# Altium PCB ESP32_Albums.PcbDoc
Units mil, origin at the board's own origin, x right, y up, seen from the top; angles counter-clockwise.
Board outline 1574.8 x 1574.8 mil, 2 copper layers (Top Layer, Bottom Layer), stack 50.044 mil thick; 36 components, 56 nets, 198 pads, 74 vias.
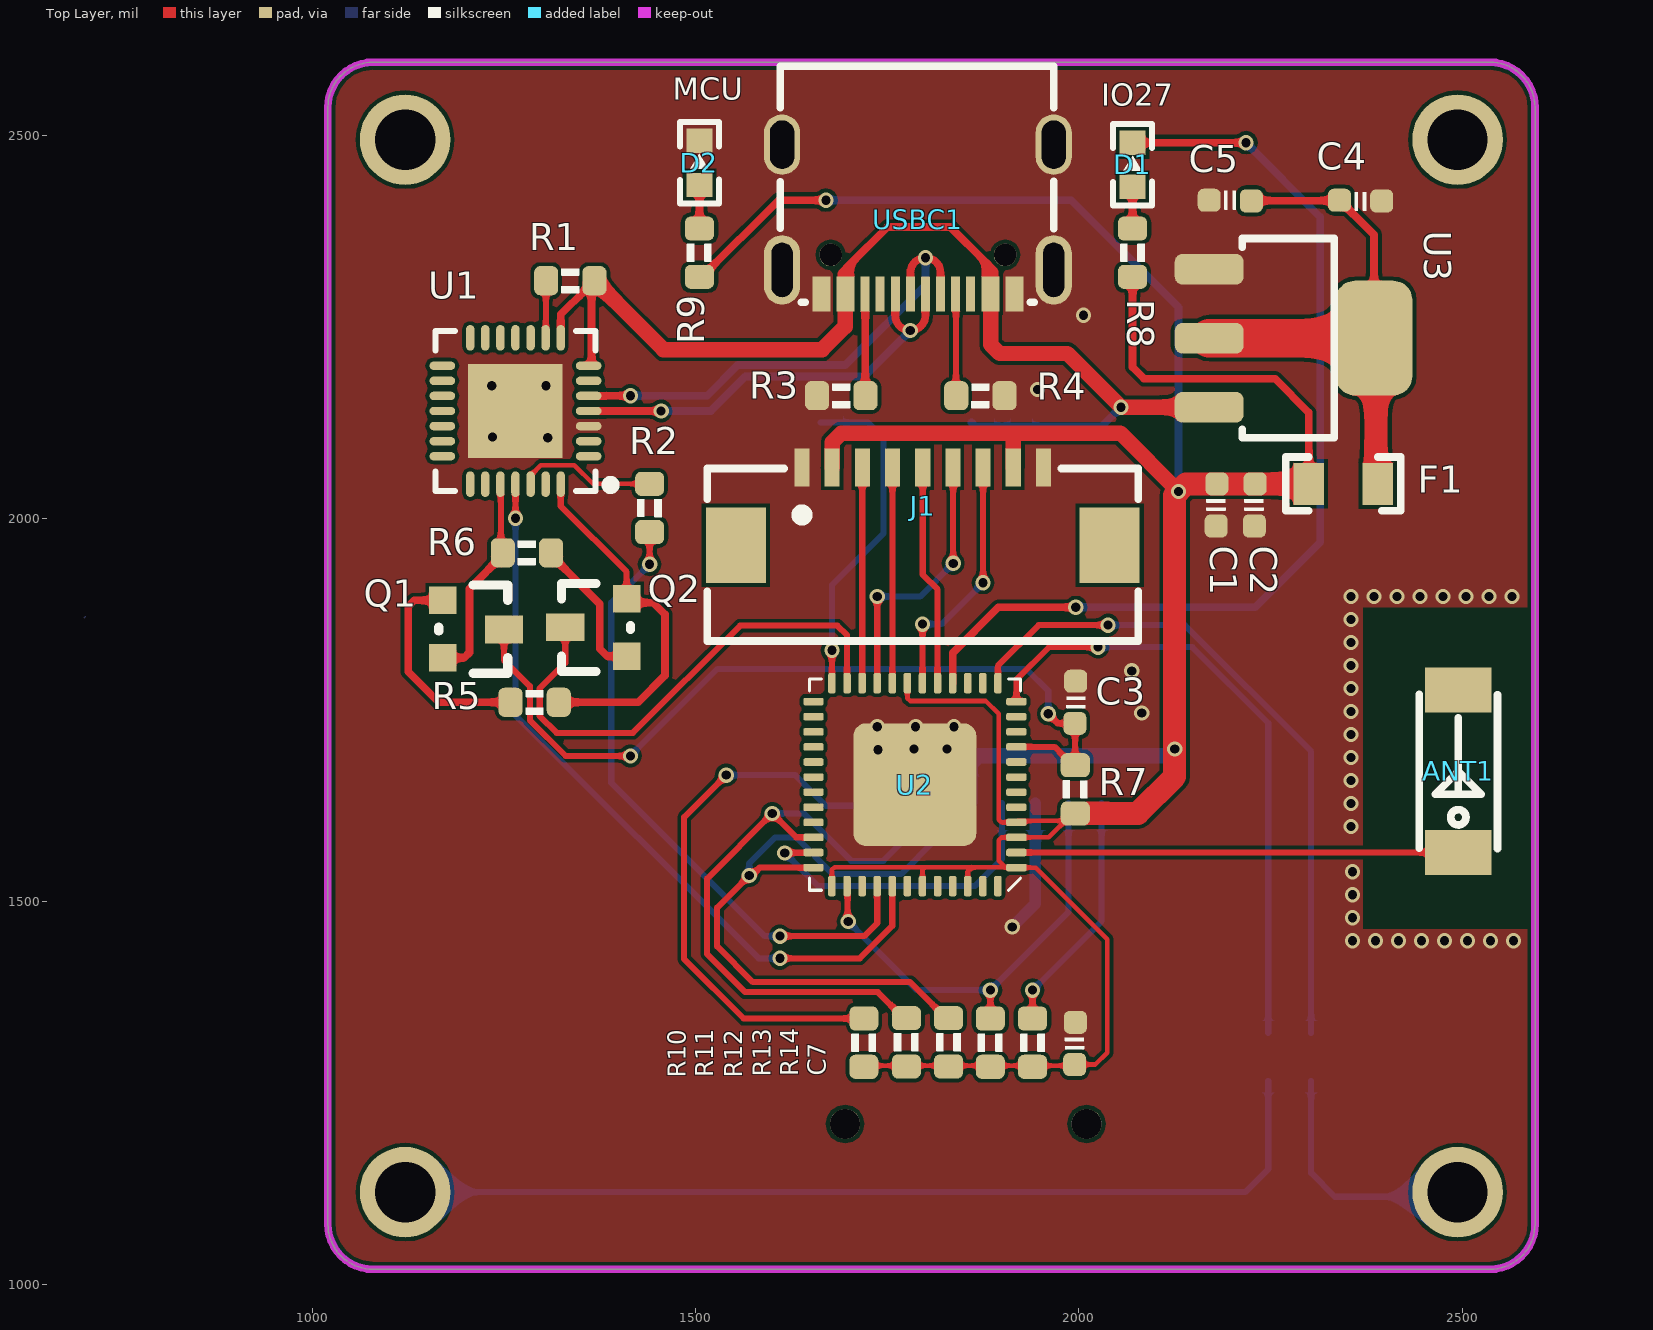
[diagram p0: Top Layer view]
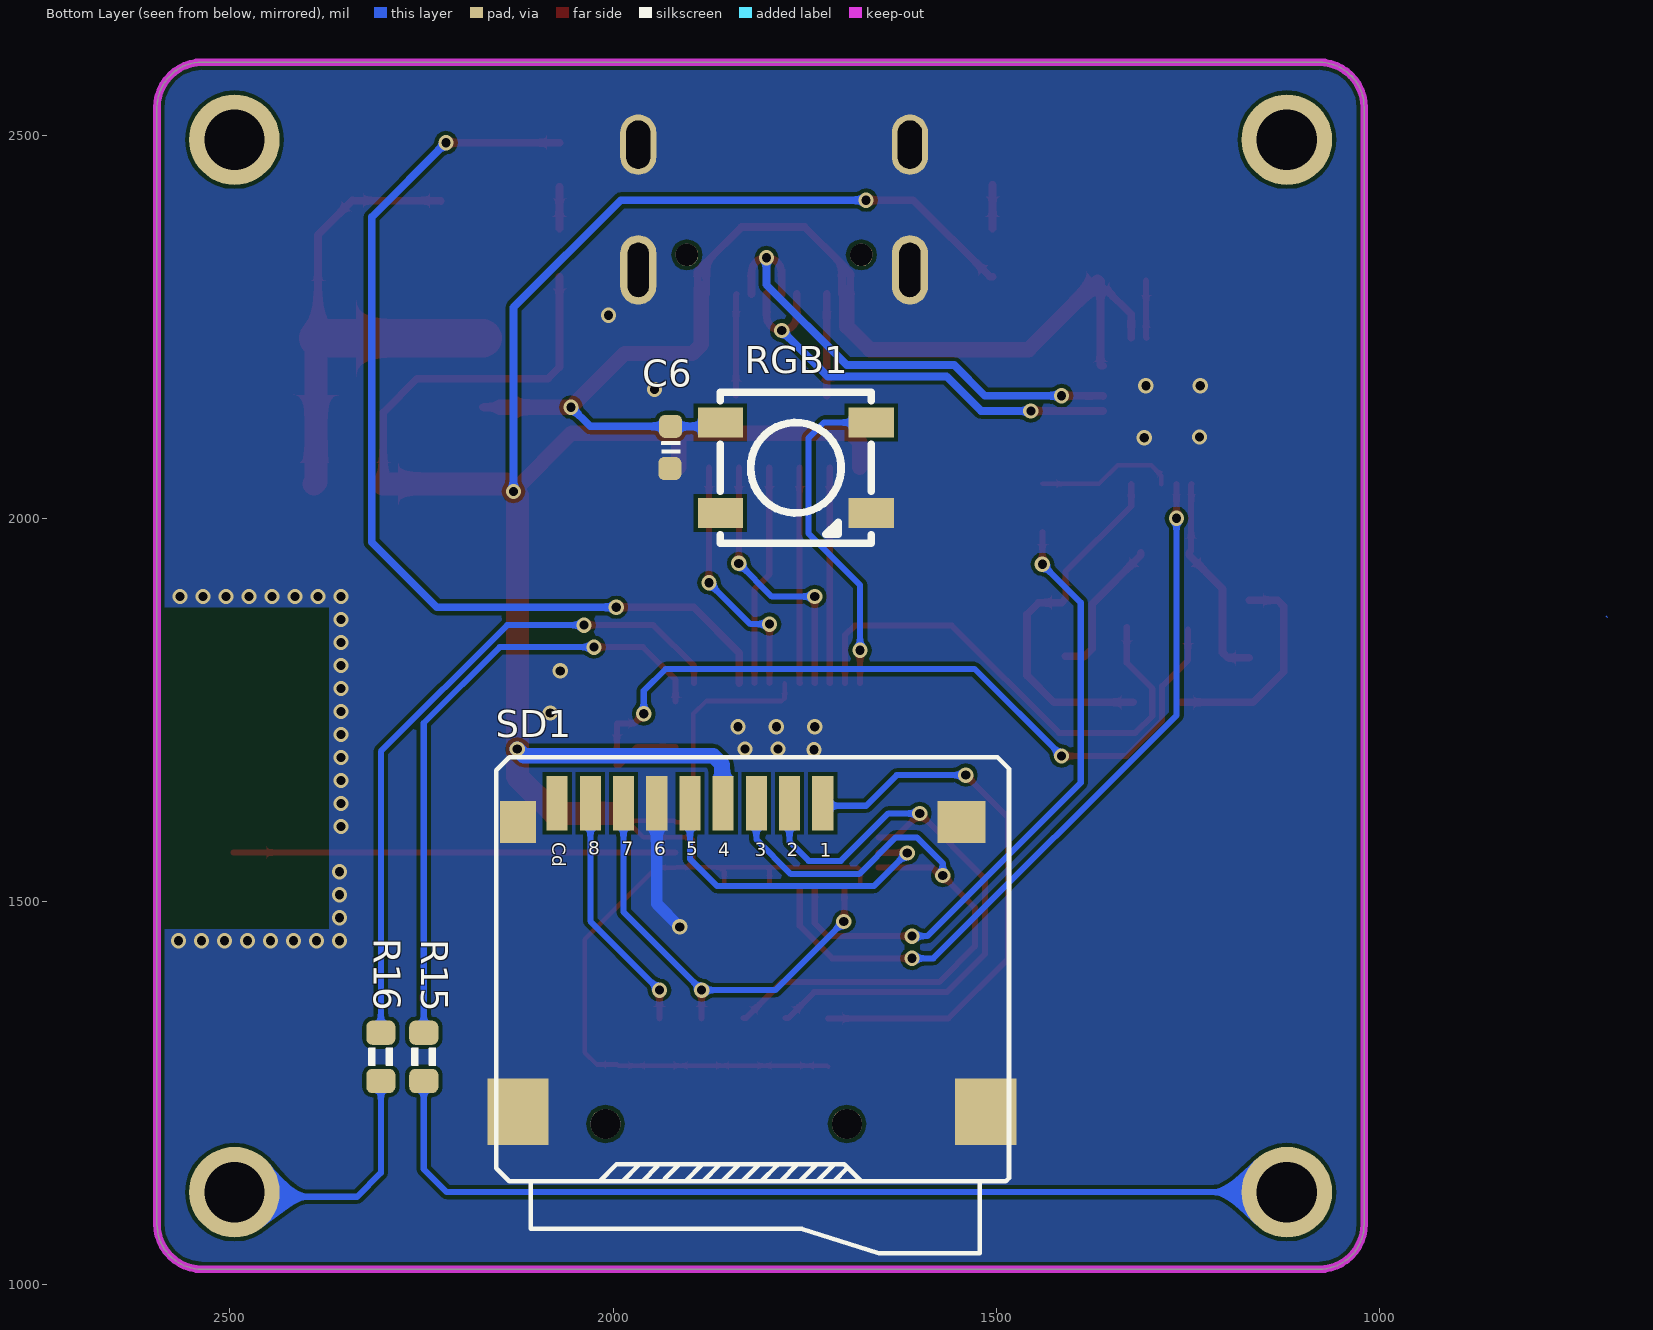
[diagram p1: Bottom Layer view, seen from below]
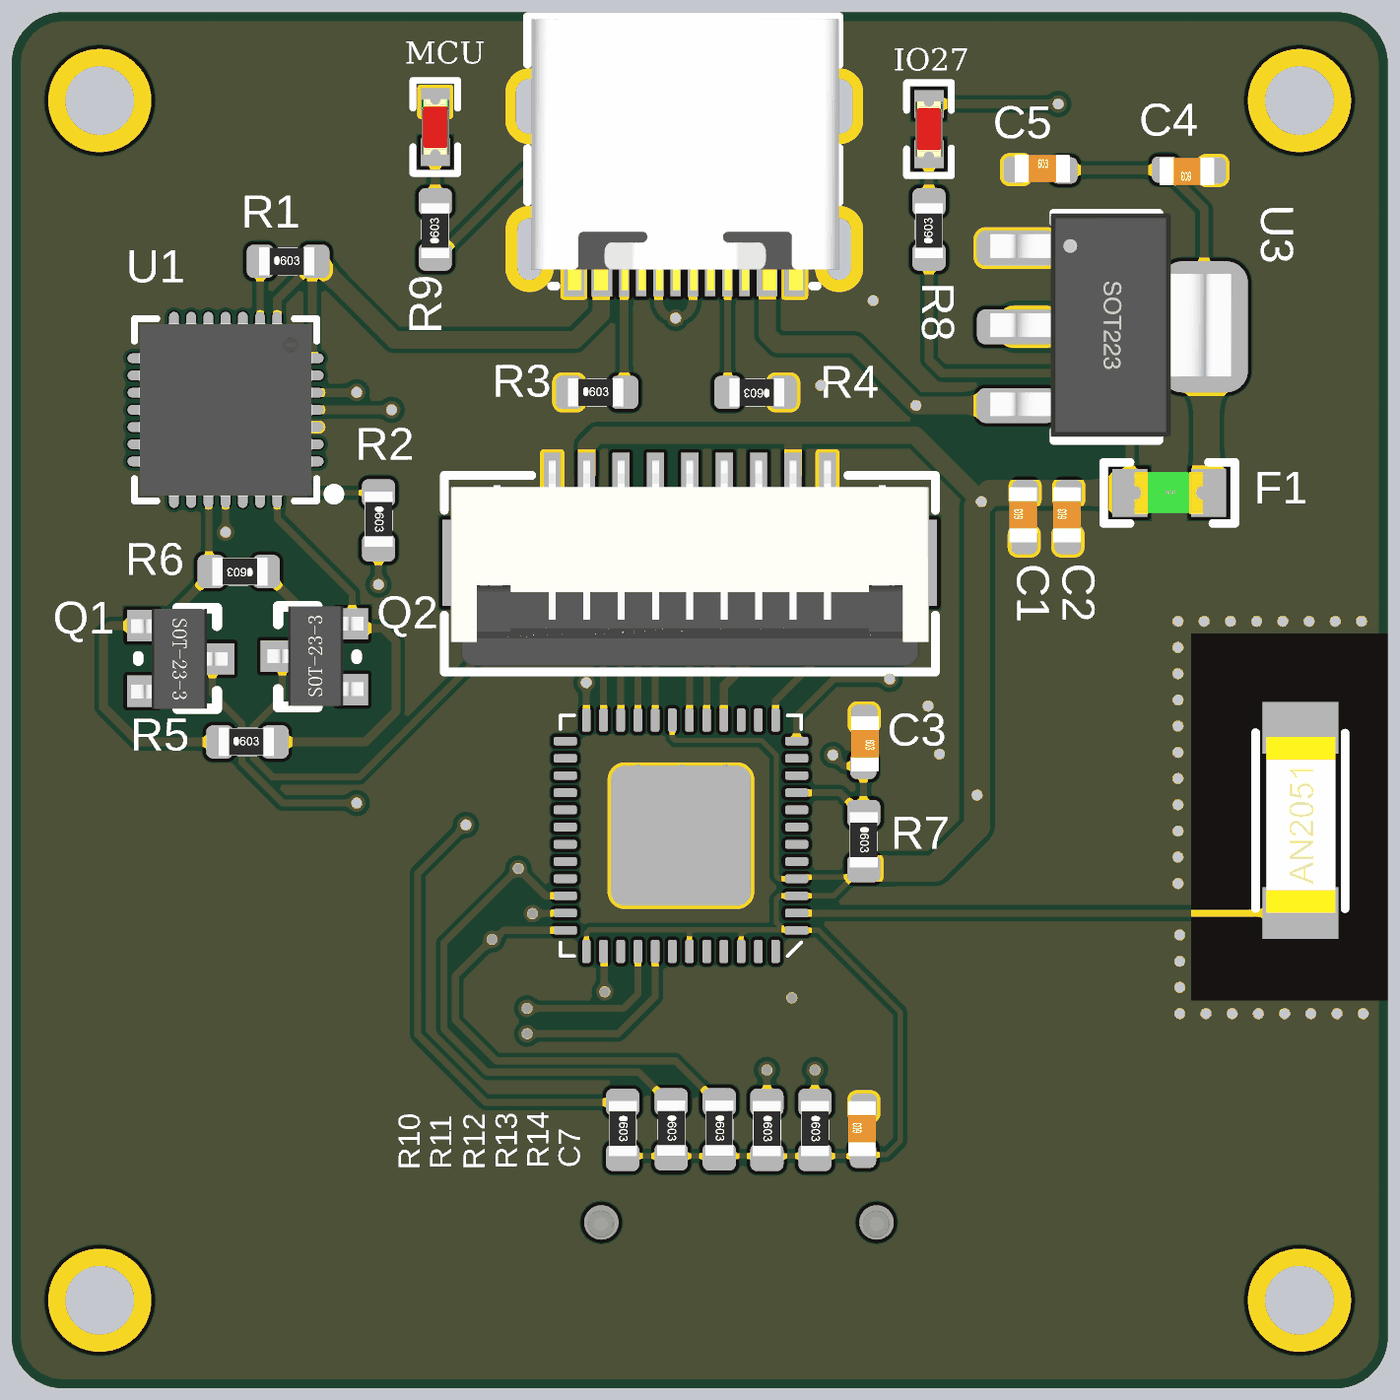
[diagram p2: 3D render of the assembled board from above, using the file's embedded part models]
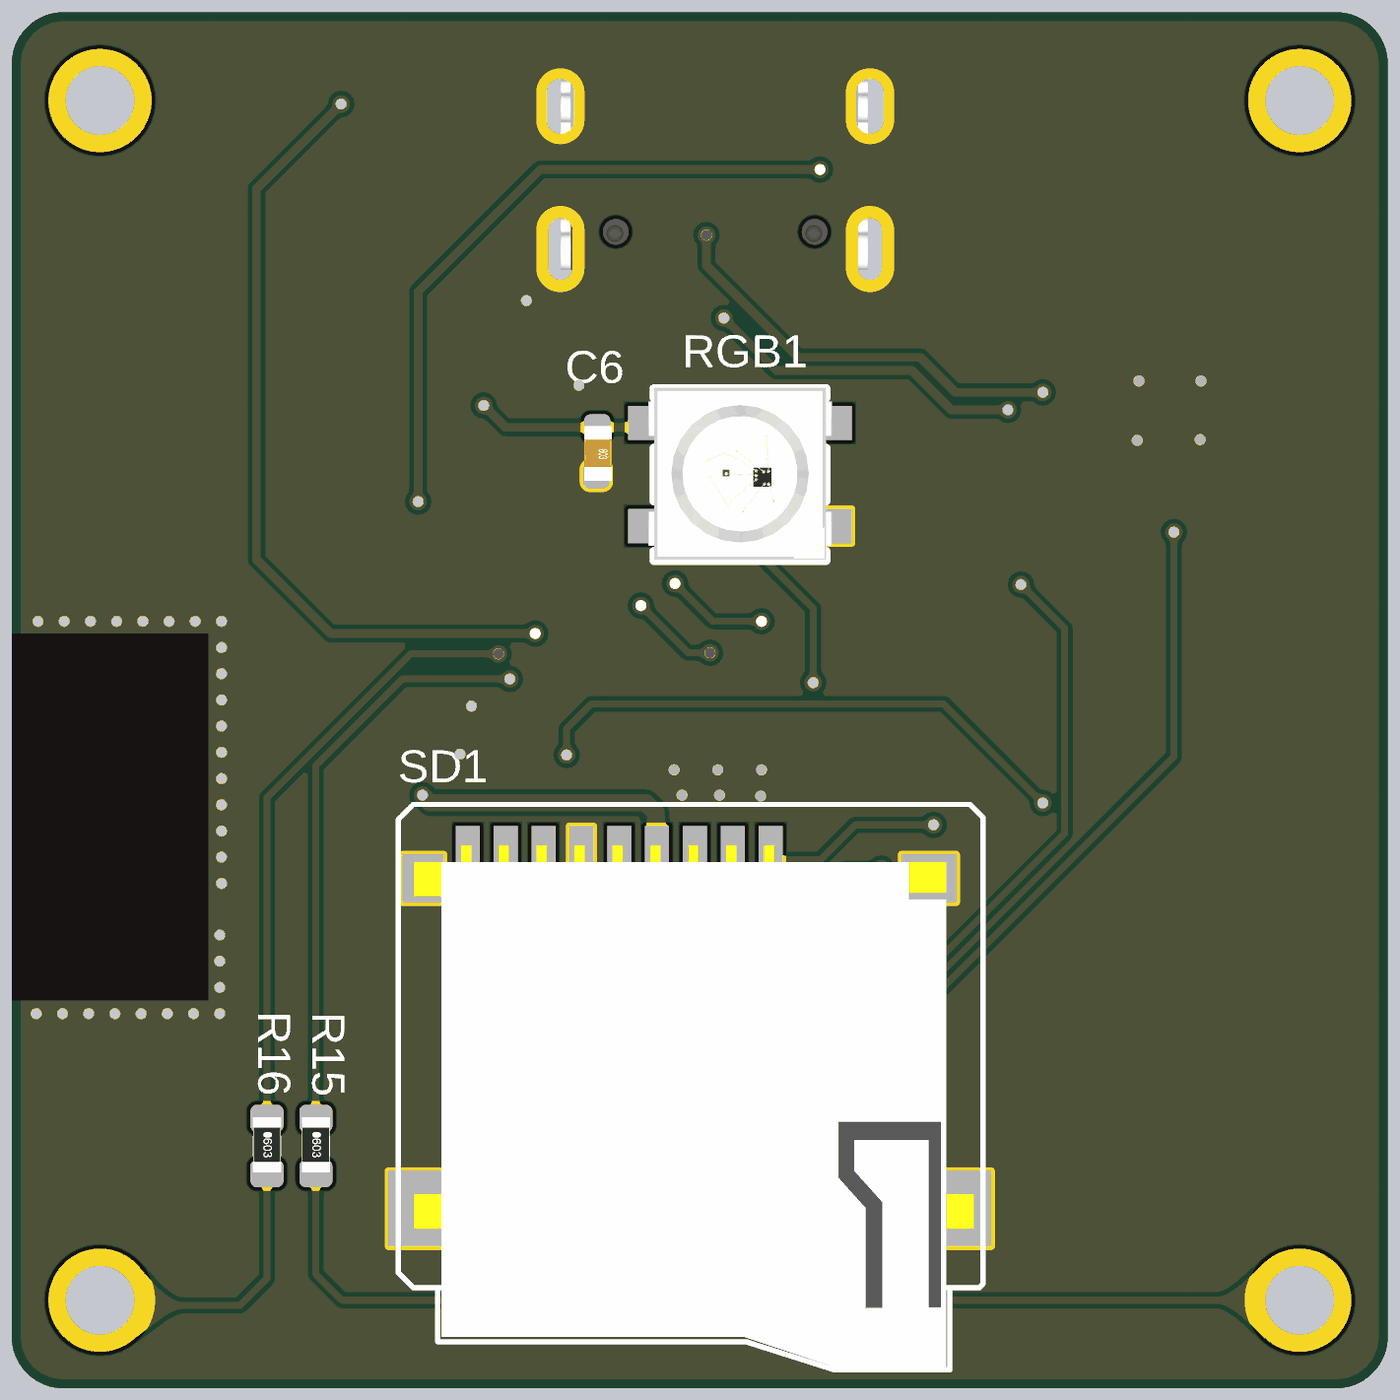
[diagram p3: 3D render of the assembled board from below, using the file's embedded part models]

## Layer stack, top to bottom
Top Solder: solder mask 0.4, Solder Resist, Dk 3.5
Top Layer: signal copper 1.4
Dielectric 1: dielectric 47.2441, FR-4, Dk 4.8
Bottom Layer: signal copper 1.4
Bottom Solder: solder mask 0.4, Solder Resist, Dk 3.5

## Board outline
1020.25,1079.31 1020.25,2536 cw(c1079.31,2536) 1079.31,2595.05 2536,2595.05 cw(c2536,2536) 2595.05,2536 2595.05,1079.31 cw(c2536,1079.31) 2536,1020.25 1079.31,1020.25 cw(c1079.31,1079.31)

## Design rules (kind name [scope] priority, off if disabled: settings)
Clearance [All] p1: gap=5 ignorepadtopadclearanceinfootprint=FALSE except(0: Arc-Hole Track-Hole SMDPad-Hole THPad-Hole Via-Hole Fill-Hole Poly-Hole Region-Hole Text-Hole)
HoleSize [All] p1: absolutevalues=TRUE maxlimit=10000 minlimit=1 maxpercent=80.000 minpercent=20.000
PlaneConnect [All] p1: planeconnectstyle=Direct reliefexpansion=20 reliefentries=4 reliefconductorwidth=10 reliefairgap=10
PolygonConnect [All] p1: connectstyle=Direct reliefconductorwidth=10 reliefentries=4 polygonreliefangle="90 Angle" airgapwidth=10
RoutingVias [All] p1: holewidth=15 width=20 viastyle="Through Hole" minholewidth=8 minwidth=10 maxholewidth=28 maxwidth=50
SolderMaskExpansion [All] p1: expansion=4 istentingtop=FALSE
Width [All] p1: maxlimit=99999 minlimit=4 preferedwidth=8
28 further rules are at their usual default settings.

## Components (designator, comment, footprint, x,y, rotation, side; value= is the part's Value field where it differs from the comment)
ANT1 "ANT2" ANT2051 2495,1670 r90 top
C1 "0.1uf" 0603C 2179.5,2017.5 r90 top
C2 "10uf" 0603C 2229.5,2017.5 r90 top
C3 "0.1uF" 0603C 1995.32,1760 r270 top
C4 "0.1uf" 0603C 2367.5,2414.5 r180 top
C5 "10uf" 0603C 2197.5,2414.5 r0 top
C6 "0.1uF" 0603C 1925.5,2092.5 r270 bottom
C7 "0.1uF" 0603C 1995,1315 r90 top
D1 "LED" LED_0603_R 2070,2461.26 r270 top
D2 "LED" LED_0603_R 1505,2463.74 r270 top
F1 "6V/1A" FUSE-0805 2305,2045 r0 top
J1 "FPC1.0-9P" FPC1.0-9P 1796.3,1965 r0 top
Q1 "S8050" SOT-23 1205,1858 r270 top
Q2 "S8050" SOT-23 1375,1855 r90 top
R1 "10K" 0603R 1336.5,2310 r0 top
R2 "200R" 0603R 1440,2013.5 r270 top
R3 "5.1K" 0603R 1690,2160 r0 top
R4 "5.1K" 0603R 1871.5,2160 r180 top
R5 "12K" 0603R 1290,1760 r0 top
R6 "12K" 0603R 1280,1955 r180 top
R7 "10K" 0603R 1995.32,1646.5 r270 top
R8 "1K" 0603R 2070,2346.5 r90 top
R9 "1K" 0603R 1505,2346.5 r90 top
R10 "10K" 0603R 1719.5,1316 r270 top
R11 "10K" 0603R 1775,1316.5 r270 top
R12 "10K" 0603R 1830,1316.5 r270 top
R13 "10K" 0603R 1884.5,1316 r270 top
R14 "10K" 0603R 1939.5,1316 r270 top
R15 "510R" 0603R 2247,1297.5 r270 bottom
R16 "510R" 0603R 2303,1297.5 r270 bottom
RGB1 "RGB_5050_4" RGB_5050_4 1764.25,2063.82 r180 bottom
SD1 "MicroSD" "Micro SD" 2124.17,1225.75 r180 bottom
U1 "CP2102" LC-QFN-28_5x5x05P 1265,2140 r90 top value=Value
U2 "ESP32_SIP" QFN-48_7X7 1786.1,1652.62 r180 top
U3 "AMS1117" SOT223 2280,2235 r270 top
USBC1 "TYPE-C 2.0 -16P" USB-C-SMD_16P 1790,2390 r0 top

## Footprints (in the part's own frame and the unit in brackets; to place one, negate y for a bottom-side part, rotate by r counter-clockwise, add the part's x,y. Pads: shape width x height; smd on the part's side, far side on the other; paste and mask are expansions set on the pad)
0603C [mil]
  rrect50% 30x30 smd: 1(-27.5,0.5) 2(27.5,-0.5)
  silkscreen extent -7,-11 7,13, body extent -29,-14 34,17, height 12
0603R [mm]
  rrect50% 0.8x0.965 smd: 1(-0.8,0) 2(0.8,0)
  silkscreen extent -0.29,-0.4 0.29,0.4, body extent -0.84,-0.41 0.76,0.41, height 0.45
ANT2051 [mm]
  rect 1.5x2.2 smd: 1(-2.69,0) 2(2.69,0)
  silkscreen extent -2.56,-1.3 2.55,1.3, body extent -2.68,-1.02 2.42,0.98, height 1.3
FPC1.0-9P [mm]
  rect 2x2.5 smd: 0(-6.19,0) 0(6.19,0)
  rect 0.5x1.25 smd: 1(-4,2.575) 2(-3,2.575) 3(-2,2.575) 4(-1,2.575) 5(0,2.575) 6(1,2.575) 7(2,2.575) 8(3,2.575) 9(4,2.575)
  silkscreen extent -7.14,-3.17 7.14,2.54, body extent -6.95,-3 6.95,3, height 2
FUSE-0805 [mil]
  rect 40x55 smd: 1(-5,0) 2(85,0)
  silkscreen extent -35,-35 115,35, body extent 0,-24 79,24, height 20
LC-QFN-28_5x5x05P [mm]
  oval 0.28x0.85 smd mask+0.051: 1(-1.5,-2.425) 2(-1,-2.425) 3(-0.5,-2.425) 4(0,-2.425) 5(0.5,-2.425) 6(1,-2.425) 7(1.5,-2.425) 15(1.5,2.425) 16(1,2.425) 17(0.5,2.425) 18(0,2.425) 19(-0.5,2.425) 20(-1,2.425) 21(-1.5,2.425)
  oval 0.85x0.28 smd mask+0.051: 8(2.425,-1.5) 9(2.425,-1) 10(2.425,-0.5) 11(2.425,0) 12(2.425,0.5) 13(2.425,1) 14(2.425,1.5) 22(-2.425,1.5) 23(-2.425,1) 24(-2.425,0.5) 25(-2.425,0) 26(-2.425,-0.5) 27(-2.425,-1) 28(-2.425,-1.5)
  rect 3.13x3.13 smd mask+0.051: 29(0,0)
  silkscreen extent -2.65,-3.3 2.65,2.65, body extent -2.5,-2.5 2.5,2.5, height 1
LED_0603_R [mm]
  rect 0.8x0.85 smd: 1(-0.73,0) 2(0.73,0)
  silkscreen extent -1.35,-0.65 1.35,0.65, body extent -0.81,-0.4 0.81,0.4, height 0.6
"Micro SD" [mm]
  rect 2.032x2.2 smd: 0(0,0) 0(15.5,0)
  rect 1.2x1.4 smd: 0(0,9.6)
  round 1 hole 1 unplated: 0(2.9,-0.4) 0(10.9,-0.4)
  rect 1.6x1.4 smd: 0(14.7,9.6)
  rect 0.7x1.8 smd: 1(10.1,10.227) 2(9,10.227) 3(7.9,10.227) 4(6.8,10.227) 5(5.7,10.227) 6(4.6,10.227) 7(3.5,10.227) 8(2.4,10.227) 9(1.3,10.227)
  Top Layer lines w0.03: 36.114,16.373 36.064,16.423
  silkscreen extent -0.72,-4.68 16.27,11.75, body extent -0.27,-4.63 16,10.57, height 1.8
QFN-48_7X7 [mm]
  rrect50% 0.675x0.25 smd: 1(-3.363,2.75) 2(-3.363,2.25) 3(-3.363,1.75) 4(-3.363,1.25) 5(-3.363,0.75) 6(-3.363,0.25) 7(-3.363,-0.25) 8(-3.363,-0.75) 9(-3.363,-1.25) 10(-3.363,-1.75) 11(-3.363,-2.25) 12(-3.363,-2.75) 25(3.362,-2.75) 26(3.362,-2.25) 27(3.363,-1.75) 28(3.363,-1.25) 29(3.363,-0.75) 30(3.363,-0.25) 31(3.363,0.25) 32(3.362,0.75) 33(3.363,1.25) 34(3.363,1.75) 35(3.363,2.25) 36(3.363,2.75)
  rrect50% 0.25x0.675 smd: 13(-2.75,-3.363) 14(-2.25,-3.363) 15(-1.75,-3.363) 16(-1.25,-3.363) 17(-0.75,-3.362) 18(-0.25,-3.363) 19(0.25,-3.363) 20(0.75,-3.363) 21(1.25,-3.363) 22(1.75,-3.363) 23(2.25,-3.362) 24(2.75,-3.362) 37(2.75,3.363) 38(2.25,3.363) 39(1.75,3.363) 40(1.25,3.363) 41(0.75,3.363) 42(0.25,3.363) 43(-0.25,3.363) 44(-0.75,3.363) 45(-1.25,3.363) 46(-1.75,3.363) 47(-2.25,3.363) 48(-2.75,3.363)
  rrect20% 4.064x4.064 smd: 49(0,0)
  silkscreen extent -3.5,-3.5 3.5,3.5, body extent -3.5,-3.5 3.5,3.5, height 1
RGB_5050_4 [mil]
  rect 59x39.3 smd: 1(-95.75,61.18) 2(-95.75,-56.92)
  rect 59.1x39.3 smd: 3(101.1,-56.92) 4(101.1,61.18)
  silkscreen extent -96,-96 101,101, body extent -103,-95 108,101, height 59
SOT223 [mil]
  rrect50% 40x90 smd: 1(-90,-110) 2(0,-110) 3(90,-110)
  rrect50% 150x100 smd: 2(0,105)
  silkscreen extent -130,-67 130,53, body extent -130,-140 126,136, height 65
SOT-23 [mil]
  rect 36x36 smd: B(-35,-35) E(40,-35)
  rect 36x50 smd: C(3,45)
  silkscreen extent -55,-40 60,50, body extent -54,-48 60,62, height 47
USB-C-SMD_16P [mm] "封装库来自淘宝ID:黄晶宝石"
  oval 1.2x2.3 hole 0.7 slot 1.8 at 90 deg: 0(-4.5,-1.675) 0(4.5,-1.675)
  oval 1.2x2 hole 0.8 slot 1.6 at 90 deg: 0(-4.5,2.475) 0(4.5,2.475)
  rect 0.3x1.15 smd: A1(3.35,-2.473) A4(2.55,-2.471) A5(1.25,-2.475) A6(0.25,-2.475) A7(-0.25,-2.473) A9(-2.55,-2.475) A12(-3.35,-2.475) B1(-3.05,-2.475) B4(-2.25,-2.475) B5(-1.75,-2.475) B6(-0.75,-2.475) B7(0.75,-2.473) B9(2.25,-2.471) B12(3.05,-2.473)
  rect 0.3x1.148 smd: A8(1.75,-2.475) B8(-1.25,-2.475)
  round 0.75 hole 0.75 unplated: ""(-2.89,-1.175) ""(2.89,-1.175)
  silkscreen extent -4.56,-2.75 4.5,5.08, body extent -4.44,-2.87 4.5,5.03, height 3.25

## Part data
ANT1: "贴片天线"
C1 C2 C3 C4 C5 C6 C7: library part CAP, "无极性电容"
F1: library part FUSE
J1: "贴片"
Q1 Q2: library part NPN, "NPN三极管"
R1 R2 R3 R4 R5 R6 R7 R8 R9 R10 R11 R12 R13 R14 R15 R16: library part RES
U1: "USB转TTL", MFG #1="SILICON LABS", PART DESC="SINGLE-CHIP USB TO UART BRIDGE, QFN28, RoHS.", PART NUMBER=CP2102, RefDes=RefDes, Type=DEV
U2: library part ESP32-PICO
U3: "三端稳压芯片"
USBC1: library part USB2.0_Type-C_16Pin, "USB2.0 Type-C 16Pin  母座", 联系卖家，免费技术支持=唯一出售店铺网址https://shop463601444.taobao.com

## Free pads (board coordinates)
  round 118.11 hole 78.74: 2(1121,1121) 2(1121,2494) 2(2494,1121) 2(2494,2494)

## Via types
v1: diameter 20/20 (per signal layer), hole 12, Top Layer to Bottom Layer, tented both sides, 74 vias

## Nets (pads, with @x,y where several pads share a name; then routed paths per layer and width w, separated by ;. In a path a pad name is that pad's centre, name@x,y a point inside that pad or via, vN(x,y) a via of type N, cw(c..) or ccw(c..) an arc to the next point about the centre after c; other vN are vias at no path point)
3V3A: C1.2 C2.2 C7.1 F1.1 J1.2 J1.8 R7.2 R8.1 R9.1 R10.2 R11.2 R12.2 R13.2 R14.2 SD1.4 U2.1 U2.3 U2.4 U2.19 U2.37 U2.43 U2.46 | length 4471.4
  Top Layer w6: U2.37 1677.83,1541.49 1681.35,1545 1799.46,1545 ; R10.2 1721,1286 1993,1286 C7.1 2021.5,1287.5 2037,1303 2037,1451 1943.65,1544.35 U2.1 1917.83,1545 1860.32,1545 ; U2.19 1776.26,1765.27 1779.77,1761.76 1878.56,1761.76 1895.32,1745 1895.32,1606.92 1898.83,1603.41 U2.4 1920.41,1605.33 1982.39,1605.33 1960.79,1583.72 U2.3 1899.04,1583.72 1895.3,1579.99 1895.3,1575.01 1895.32,1553.51 1902.56,1546.27 ; U2.43 1795.94,1541.49 1799.46,1545 ; U2.46 1855,1539.68 1860.32,1545 ; 1799.46,1545 1860.32,1545
  Top Layer w10: R9.1 1508.25,2315 1608.25,2415 v1(1670,2415) ; R8.1 2070,2197 2085,2182 2256,2182 2300,2138 F1.1
  Top Layer w20: J1.2 1678.35,2066.54 1678.35,2099.28 1690.06,2111 2054,2111 v1(2130,2035) ; J1.8 1914.57,2066.54 1914.57,2106.57
  Top Layer w30: R7.2 2077,1615 2125,1663 v1(2125,1699) 2125,2030 v1(2130,2035) 2140,2045 C1.2 C2.2 F1.1
  Bottom Layer w10: v1(1670,2415) 1990,2415 2130,2275 v1(2130,2035)
  Bottom Layer w20: SD1.4 1857.78,1629.71 1857.78,1678.7 1869.5,1690.42 2116.42,1690.42 v1(2125,1699)
BLK: J1.7 U2.18 | length 328.8
  Top Layer w8: U2.18 1795.94,1861.94 v1(1796,1862) ; v1(1875,1916) J1.7
  Bottom Layer w8: v1(1796,1862) 1821,1862 v1(1875,1916)
CP_Rx: U1.25 U2.41 | length 993.9
  Top Layer w8: v1(1265,2000) U1.25 ; v1(1610,1426) 1714.38,1426 1756.57,1468.19 U2.41
  Bottom Layer w8: v1(1265,2000) 1265,1743.13 1582.13,1426 v1(1610,1426)
CP_Tx: R2.2 U2.40 | length 832.8
  Top Layer w8: v1(1440,1940) R2.2 ; v1(1610,1455) 1720,1455 1736.89,1471.89 U2.40
  Bottom Layer w8: v1(1440,1940) 1390,1890 1390,1655 1590,1455 v1(1610,1455)
DC: J1.6 U2.21 | length 359.1
  Top Layer w8: U2.21 1736.89,1897.89 v1(1737,1898) ; J1.6 1836,2066.05 v1(1836,1941.25) v1@1838.7,1938.54
  Bottom Layer w8: v1(1737,1898) 1792.75,1898 v1(1836,1941.25)
DTR: Q2.E R5.2 U1.28 | length 476.4
  Top Layer w8: U1.28 1324.06,2015.94 1410,1930 Q2.E
  Top Layer w10: R5.2 1425,1760 1460,1795 1460,1875 1445,1890 1415,1890 Q2.E
EN: C3.2 Q1.C R7.1 U2.9 | length 1098.2
  Top Layer w8: Q1.C 1250,1815 1283.75,1781.25 1283.75,1736.5 1330.25,1690 v1(1415,1690) ; U2.9 1968.23,1701.83 1992.07,1677.99 R7.1 1995.07,1678.24 1995.07,1732.25 C3.2 1972.5,1732.5 v1(1960,1745)
  Bottom Layer w8: v1(1415,1690) 1528.43,1803.43 1931.57,1803.43 1960,1775 v1(1960,1745)
GND: C1.1 C2.1 C3.1 C4.1 C5.1 C6.2 C7.2 D2.1 J1.1 J1.9 R3.1 R4.1 RGB1.3 SD1.0@1513.94,1225.75 SD1.0@1545.43,1603.7 SD1.0@2124.17,1225.75 SD1.0@2124.17,1603.7 SD1.6 U1.3 U1.29 U2.49 U3.1 USBC1.0 USBC1.A1 USBC1.A12 USBC1.B1 USBC1.B12 | length 173.8
  Bottom Layer w15: v1(1913,1467) 1943.07,1497.07 SD1.6
  other v1: 2357,1449 2387,1449 2417,1449 2447,1449 2477,1449 2507,1449 2537,1449 2567,1449 2357,1479 2357,1509 2357,1539 2355,1598 2355,1628 2355,1658 2355,1688 1738,1698 1785,1699 1828,1699 2355,1718 1737,1728 1787,1728 1837,1728 2082,1746 2355,1748 2355,1778 2069,1801 2355,1808 2355,1838 2355,1868 2355,1898 2385,1898 2415,1898 2445,1898 2475,1898 2505,1898 2535,1898 2565,1898 1307,2105 1235,2106 1946,2168 1234,2173 1305,2173 2006,2265
GPIO0: Q2.C U2.23 | length 665.4
  Top Layer w8: Q2.C 1330,1811.36 1296.75,1778.11 1296.75,1741.89 1318.64,1720 1418.13,1720 1558.13,1860 1625,1860 1685,1860 1697.52,1847.48 U2.23
GPIO2: J1.3 U2.22 | length 281.5
  Top Layer w8: U2.22 1717.38,1785.18 1717.38,2066.2 J1.3
GPIO4: RGB1.4 U2.24 | length 438
  Top Layer w8: U2.24 v1(1677.83,1827.83)
  Bottom Layer w8: RGB1.4 1725,2125 1745,2105 1745,1980 1677.83,1912.83 v1(1677.83,1827.83)
GPIO5: R11.1 SD1.2 U2.34 | length 836.2
  Top Layer w8: U2.34 1631.3,1583.72 v1(1600.02,1615) 1515,1529.98 1515,1431.62 1564.62,1382 1737.75,1382 1771.75,1348 R11.1
  Bottom Layer w8: v1(1600.02,1615) 1640.87,1615 1702.87,1553 1745,1553 1769.84,1577.84 SD1.2
GPIO6: U2.31
GPIO7: U2.32
GPIO8: U2.33
GPIO9: U2.28
GPIO10: U2.29
GPIO11: U2.30
GPIO13: J1.4 U2.20 | length 281.5
  Top Layer w8: U2.20 1756.75,1785.18 1756.75,2066.2 J1.4
GPIO14: J1.5 U2.17 | length 289.4
  Top Layer w8: J1.5 1796.3,1926.7 1815.63,1907.37 U2.17
GPIO16: U2.25
GPIO17: U2.27
GPIO18: SD1.5 U2.35 | length 426.4
  Top Layer w8: v1(1616.3,1563.43) 1616.6,1563.73 1653.42,1563.73 U2.35
  Bottom Layer w8: v1(1616.3,1563.43) 1616.57,1563.43 1659.76,1520.24 1864.31,1520.24 1899.76,1555.69 SD1.5
GPIO19: R13.1 SD1.7 U2.38 | length 592.5
  Top Layer w8: U2.38 1698.26,1519.5 1698.26,1474.74 v1(1699,1474) ; R13.1 v1(1884.5,1384.5)
  Bottom Layer w8: v1(1699,1474) 1788.5,1384.5 v1(1884.5,1384.5) 1986.38,1486.38 SD1.7
GPIO21: U2.42
GPIO22: U2.39
GPIO23: R12.1 SD1.3 U2.36 | length 897.3
  Top Layer w8: U2.36 1583.6,1544.35 1573.25,1534 v1(1570,1534) 1528,1492 1528,1441.69 1574.69,1395 1779.74,1395 1826.75,1347.99 R12.1
  Bottom Layer w8: v1(1570,1534) 1570,1549.88 1603.84,1583.72 1631.3,1583.72 1679.02,1536 1768,1536 1813.15,1581.15 SD1.3
GPIO25: U2.14
GPIO26: U2.15
GPIO27: D1.1 U2.16 | length 1288.1
  Top Layer w10: U2.16 1835.32,1824.32 1895,1884 v1(1996,1884) ; D1.1 v1(2218,2490)
  Bottom Layer w10: v1(1996,1884) 2230,1884 2315,1969 2315,2393 v1(2218,2490)
GPIO32: R15.1 U2.12 | length 819.7
  Top Layer w8: U2.12 1918.48,1789.48 1961,1832 v1(2025,1832)
  Bottom Layer w8: v1(2025,1832) 2148,1832 2247,1733 R15.1
GPIO33: R16.1 U2.13 | length 888.3
  Top Layer w8: U2.13 1894.37,1807.42 1947.65,1860.71 v1(2038,1860.71)
  Bottom Layer w8: v1(2038,1860.71) 2138.29,1860.71 2303,1696 R16.1
GPIO34: U2.10
GPIO35: U2.11
GPIO36: U2.5
GPIO37: U2.6
GPIO38: U2.7
GPIO39: U2.8
NetANT1_1: ANT1.1 U2.2 | length 576.5
  Top Layer w8: U2.2 2494.94,1564.04 ANT1.1
NetD1_2: D1.2 R8.2 | length 54.5
  Top Layer w10: R8.2 D1.2
NetD2_2: D2.2 R9.2 | length 57
  Top Layer w10: R9.2 D2.2
NetQ1_B: Q1.B R5.1 | length 283.4
  Top Layer w10: Q1.B 1133,1893 1125,1885 1125,1800 1165,1760 R5.1
NetQ2_B: Q2.B R6.1 | length 190.4
  Top Layer w10: R6.1 1311.5,1951.75 1375,1888.25 1375,1830 1385,1820 Q2.B
NetR1_1: R1.1 U1.9 | length 74.8
  Top Layer w8: U1.9 1304.68,2235.79 1304.68,2309.68 R1.1
NetR2_1: R2.1 U1.26 | length 182.2
  Top Layer w6: U1.26 1284.68,2055.75 1298.2,2069.26 1341.83,2069.26 1366.09,2045 R2.1
NetR3_2: R3.2 USBC1.B5 | length 132.7
  Top Layer w10: USBC1.B5 1721.3,2292.37 1721.3,2160.2 R3.2
NetR4_2: R4.2 USBC1.A5 | length 132.9
  Top Layer w8: USBC1.A5 1839.61,2292.16 1839.61,2160.39 R4.2
NetR10_1: R10.1 SD1.1 | length 733.9
  Top Layer w8: v1(1540,1665) 1485,1610 1485,1425 1562.5,1347.5 R10.1
  Bottom Layer w8: v1(1540,1665) 1630,1665 1670,1625 1723.15,1625 SD1.1
NetR14_1: R14.1 SD1.8 | length 318.2
  Top Layer w8: R14.1 v1(1939.5,1384.5)
  Bottom Layer w8: v1(1939.5,1384.5) 2029.68,1474.68 SD1.8
RTS: Q1.E R6.2 U1.24 | length 276.8
  Top Layer w8: U1.24 1245.89,2043.95 1245.89,1957.61 R6.2
  Top Layer w10: Q1.E 1198,1818 1205,1825 1205,1908.25 1248.5,1951.75 R6.2
TOUCH1: pad.2@1121,1121 R15.2 | length 1253.4
  Bottom Layer w8: pad.2@1121,1121 2217,1121 2247,1151 R15.2
TOUCH2: pad.2@2494,1121 R16.2 | length 326.3
  Bottom Layer w8: R16.2 2303,1146 2334,1115 2488,1115 pad.2@2494,1121
USB-PWR-DN: U1.5 USBC1.A7 USBC1.B7 | length 651.9
  Top Layer w10: U1.5 1360.63,2159.84 1414.84,2159.84 v1(1415,2160) ; USBC1.A7 1780.16,2320.16 cw(c1800,2320.16) v1(1800,2340) cw(c1800,2320.47) 1819.53,2320.47 USBC1.B7
  Bottom Layer w10: v1(1415,2160) 1515,2160 1555,2200 1695.02,2200 1800,2304.98 v1(1800,2340)
USB-PWR-DP: U1.4 USBC1.A6 USBC1.B6 | length 580.6
  Top Layer w10: U1.4 v1(1455,2140) ; USBC1.B6 1760.47,2264.53 ccw(c1780,2264.53) v1(1780,2245) ccw(c1780,2264.84) 1799.84,2264.84 USBC1.A6
  Bottom Layer w10: v1(1455,2140) 1520,2140 1565,2185 1720,2185 v1(1780,2245)
VBUS: C6.1 R1.2 RGB1.1 U1.7 U1.8 U3.3 USBC1.A4 USBC1.A9 USBC1.B4 USBC1.B9 | length 1603.8
  Top Layer w10: U1.8 1324.06,2266.06 1355.77,2297.78 1357.46,2297.78 1364.23,2304.55 1364.23,2199.53 1363.76,2199.06 U1.7 ; R1.2@1367.99,2308.31 R1.2 ; USBC1.A9 1690.51,2293.47 1690.51,2320.51 1701.42,2331.42 ; USBC1.B4 1701.42,2331.42 ; USBC1.B9 1878.58,2333.92 ; USBC1.A4@1889.49,2293.63 1889.49,2323.01 1878.58,2333.92 ; U3.3@2147.71,2145 U3.3 ; 1701.42,2331.42 1750,2380 1832.5,2380 1878.58,2333.92
  Top Layer w20: R1.2@1367.99,2308.31 1367.99,2306.75 1373.74,2301 1376.99,2301 1457.99,2220 1665,2220 1695,2250 USBC1.A9@1695,2295 ; USBC1.A4@1885,2300 1885,2226.72 1896.72,2215 1985,2215 v1(2055,2145) U3.3@2147.71,2145
  Bottom Layer w10: RGB1.1 1865,2120 C6.1 2030,2120 v1(2055,2145)
VCC_3V3: C4.2 C5.2 F1.2 U3.2 | length 721.1
  Top Layer w10: C5.2 2225.5,2414.5 2339.5,2414.5 C4.2 2385,2370 U3.2@2385,2235
  Top Layer w30: U3.2@2385,2235 2387.5,2232.5 2387.5,2047.5 F1.2
  Top Layer w50: U3.2@2170,2235 U3.2@2385,2235
pads on no net: ANT1.2 J1.0 RGB1.2 SD1.0@1695.04,1210 SD1.0@2010,1210 SD1.9 U1.1 U1.2 U1.6 U1.10 U1.11 U1.12 U1.13 U1.14 U1.15 U1.16 U1.17 U1.18 U1.19 U1.20 U1.21 U1.22 U1.23 U1.27 U2.26 U2.44 U2.45 U2.47 U2.48 USBC1. USBC1.A8 USBC1.B8

## Polygon pours and split planes (outlines as drawn)
GND on Bottom Layer "GND_L02_P000" (solid, remove dead copper, pour order 0): 1079.31,1020.25 cw(c1079.31,1079.31) 1020.25,1079.31 1020.25,2536 cw(c1079.31,2536) 1079.31,2595.05 2536,2595.05 cw(c2536,2536) 2595.05,2536 2595.05,1079.31 cw(c2536,1079.31) 2536,1020.25
GND on Top Layer "GND_L01_P001" (solid, remove dead copper, pour order 1): 1079.31,1020.25 cw(c1079.31,1079.31) 1020.25,1079.31 1020.25,2536 cw(c1079.31,2536) 1079.31,2595.05 2536,2595.05 cw(c2536,2536) 2595.05,2536 2595.05,1079.31 cw(c2536,1079.31) 2536,1020.25

## Keep-outs
Keep-Out Layer:
  the board outline again, w10

## Other copper
Top Layer:
  pour cut-out: 2370,1884 2370,1464 2690,1464 2690,1884
Bottom Layer:
  pour cut-out: 2370,1884 2370,1464 2690,1464 2690,1884

## Silkscreen, mask and mechanical layers (free items; w line width, h text height)
Top Overlay:
  text "MCU" at 1470.05,2536.45 h50
  text "IO27" at 2029,2528.45 h50
Top Solder:
  rectangle: 2370,1464 2690,1884
Bottom Solder:
  rectangle: 2370,1464 2690,1884

## Text inside footprints (layer, text, board x,y; h text height)
SD1: Bottom Overlay "1" at 1730.54,1552.39 h30; Bottom Overlay "2" at 1773.54,1553.39 h30; Bottom Overlay "3" at 1815.54,1553.39 h30; Bottom Overlay "4" at 1862.54,1553.39 h30; Bottom Overlay "5" at 1904.54,1554.39 h30; Bottom Overlay "6" at 1946.54,1554.39 h30; Bottom Overlay "7" at 1988.54,1554.39 h30; Bottom Overlay "8" at 2032.54,1555.39 h30; Bottom Overlay "Cd" at 2085.54,1577.39 h30 r90